# KiCad board SparkFun_IoT_RedBoard-RP2350_panelized.kicad_pcb (continued)
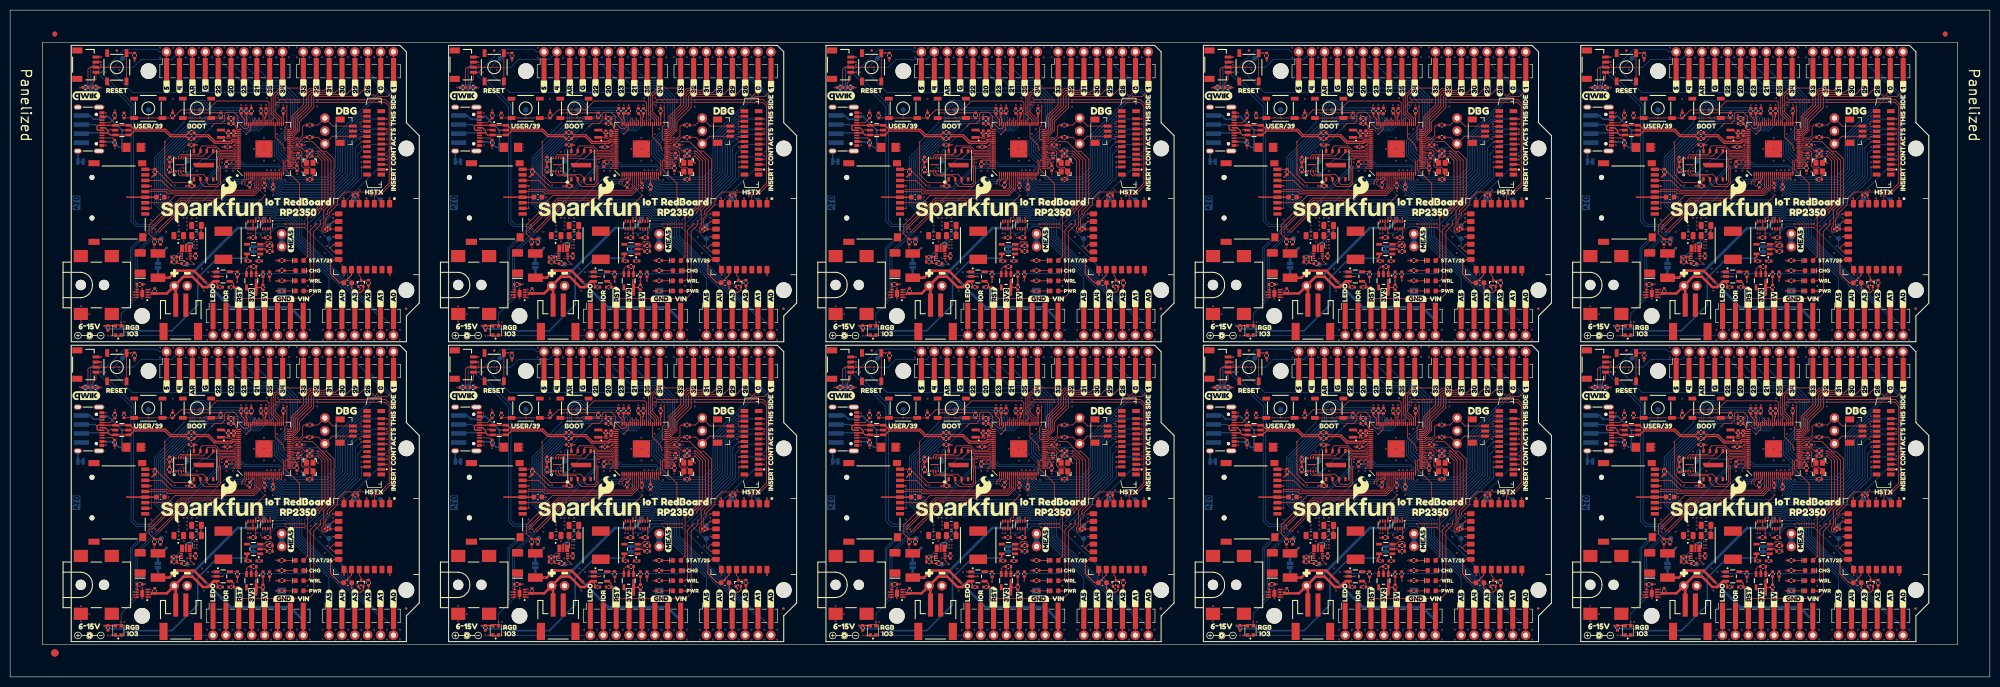
[diagram p0: board, top side]
## Placement (name value [footprint] x y rotation side) (continued)
U3#10  W25Q128JVPIM  [WDFN-8_6x5mm-SkinnyCenterPad]  261.2 100.88 90 top
U4  APS6404L-3SQR-ZR  [USON-8_3x2mm-SkinnyCenterPad]  107.78 41.86 90 top
U4#2  APS6404L-3SQR-ZR  [USON-8_3x2mm-SkinnyCenterPad]  33.42 100.98 90 top
U4#3  APS6404L-3SQR-ZR  [USON-8_3x2mm-SkinnyCenterPad]  330.86 100.98 90 top
U4#4  APS6404L-3SQR-ZR  [USON-8_3x2mm-SkinnyCenterPad]  256.5 100.98 90 top
U4#5  APS6404L-3SQR-ZR  [USON-8_3x2mm-SkinnyCenterPad]  107.78 100.98 90 top
U4#6  APS6404L-3SQR-ZR  [USON-8_3x2mm-SkinnyCenterPad]  182.14 100.98 90 top
U4#7  APS6404L-3SQR-ZR  [USON-8_3x2mm-SkinnyCenterPad]  182.14 41.86 90 top
U4#8  APS6404L-3SQR-ZR  [USON-8_3x2mm-SkinnyCenterPad]  256.5 41.86 90 top
U4#9  APS6404L-3SQR-ZR  [USON-8_3x2mm-SkinnyCenterPad]  330.86 41.86 90 top
U4#10  APS6404L-3SQR-ZR  [USON-8_3x2mm-SkinnyCenterPad]  33.42 41.86 90 top
U5  AP63357DV-7  [PowerVFDFN-13]  34.62 24.66 0 top
U5#2  AP63357DV-7  [PowerVFDFN-13]  108.98 24.66 0 top
U5#3  AP63357DV-7  [PowerVFDFN-13]  34.62 83.78 0 top
U5#4  AP63357DV-7  [PowerVFDFN-13]  183.34 24.66 0 top
U5#5  AP63357DV-7  [PowerVFDFN-13]  332.06 24.66 0 top
U5#6  AP63357DV-7  [PowerVFDFN-13]  332.06 83.78 0 top
U5#7  AP63357DV-7  [PowerVFDFN-13]  183.34 83.78 0 top
U5#8  AP63357DV-7  [PowerVFDFN-13]  108.98 83.78 0 top
U5#9  AP63357DV-7  [PowerVFDFN-13]  257.7 24.66 0 top
U5#10  AP63357DV-7  [PowerVFDFN-13]  257.7 83.78 0 top
U6  LM66200  [SOT-583-8]  47.62 29.96 270 top
U6#2  LM66200  [SOT-583-8]  47.62 89.08 270 top
U6#3  LM66200  [SOT-583-8]  121.98 89.08 270 top
U6#4  LM66200  [SOT-583-8]  121.98 29.96 270 top
U6#5  LM66200  [SOT-583-8]  345.06 89.08 270 top
U6#6  LM66200  [SOT-583-8]  196.34 89.08 270 top
U6#7  LM66200  [SOT-583-8]  270.7 89.08 270 top
U6#8  LM66200  [SOT-583-8]  270.7 29.96 270 top
U6#9  LM66200  [SOT-583-8]  196.34 29.96 270 top
U6#10  LM66200  [SOT-583-8]  345.06 29.96 270 top
U7  LM66200  [SOT-583-8]  50.52 29.96 270 top
U7#2  LM66200  [SOT-583-8]  199.24 89.08 270 top
U7#3  LM66200  [SOT-583-8]  273.6 29.96 270 top
U7#4  LM66200  [SOT-583-8]  347.96 89.08 270 top
U7#5  LM66200  [SOT-583-8]  124.88 89.08 270 top
U7#6  LM66200  [SOT-583-8]  50.52 89.08 270 top
U7#7  LM66200  [SOT-583-8]  124.88 29.96 270 top
U7#8  LM66200  [SOT-583-8]  199.24 29.96 270 top
U7#9  LM66200  [SOT-583-8]  273.6 89.08 270 top
U7#10  LM66200  [SOT-583-8]  347.96 29.96 270 top
U8  MAX17048  [DFN-8]  26.02 16.46 180 top
U8#2  MAX17048  [DFN-8]  100.38 75.58 180 top
U8#3  MAX17048  [DFN-8]  174.74 16.46 180 top
U8#4  MAX17048  [DFN-8]  100.38 16.46 180 top
U8#5  MAX17048  [DFN-8]  249.1 16.46 180 top
U8#6  MAX17048  [DFN-8]  26.02 75.58 180 top
U8#7  MAX17048  [DFN-8]  174.74 75.58 180 top
U8#8  MAX17048  [DFN-8]  249.1 75.58 180 top
U8#9  MAX17048  [DFN-8]  323.46 75.58 180 top
U8#10  MAX17048  [DFN-8]  323.46 16.46 180 top
U9  MCP73831  [SOT23-5]  41.97 19.81 0 top
U9#2  MCP73831  [SOT23-5]  339.41 19.81 0 top
U9#3  MCP73831  [SOT23-5]  41.97 78.93 0 top
U9#4  MCP73831  [SOT23-5]  190.69 78.93 0 top
U9#5  MCP73831  [SOT23-5]  116.33 19.81 0 top
U9#6  MCP73831  [SOT23-5]  116.33 78.93 0 top
U9#7  MCP73831  [SOT23-5]  190.69 19.81 0 top
U9#8  MCP73831  [SOT23-5]  265.05 78.93 0 top
U9#9  MCP73831  [SOT23-5]  265.05 19.81 0 top
U9#10  MCP73831  [SOT23-5]  339.41 78.93 0 top
U10  RT9080-3.3  [SOT23-5]  47.97 25.21 180 top
U10#2  RT9080-3.3  [SOT23-5]  196.69 84.33 180 top
U10#3  RT9080-3.3  [SOT23-5]  47.97 84.33 180 top
U10#4  RT9080-3.3  [SOT23-5]  345.41 25.21 180 top
U10#5  RT9080-3.3  [SOT23-5]  271.05 25.21 180 top
U10#6  RT9080-3.3  [SOT23-5]  196.69 25.21 180 top
U10#7  RT9080-3.3  [SOT23-5]  122.33 25.21 180 top
U10#8  RT9080-3.3  [SOT23-5]  122.33 84.33 180 top
U10#9  RT9080-3.3  [SOT23-5]  271.05 84.33 180 top
U10#10  RT9080-3.3  [SOT23-5]  345.41 84.33 180 top
U11  RT9080-3.3  [SOT23-5]  47.52 18.96 270 top
U11#2  RT9080-3.3  [SOT23-5]  196.24 78.08 270 top
U11#3  RT9080-3.3  [SOT23-5]  270.6 18.96 270 top
U11#4  RT9080-3.3  [SOT23-5]  344.96 78.08 270 top
U11#5  RT9080-3.3  [SOT23-5]  121.88 78.08 270 top
U11#6  RT9080-3.3  [SOT23-5]  47.52 78.08 270 top
U11#7  RT9080-3.3  [SOT23-5]  121.88 18.96 270 top
U11#8  RT9080-3.3  [SOT23-5]  196.24 18.96 270 top
U11#9  RT9080-3.3  [SOT23-5]  270.6 78.08 270 top
U11#10  RT9080-3.3  [SOT23-5]  344.96 18.96 270 top
Y1  12MHz  [Crystal_SMD_2.5x2.0mm]  59.02 41.36 90 top
Y1#2  12MHz  [Crystal_SMD_2.5x2.0mm]  282.1 100.48 90 top
Y1#3  12MHz  [Crystal_SMD_2.5x2.0mm]  133.38 41.36 90 top
Y1#4  12MHz  [Crystal_SMD_2.5x2.0mm]  133.38 100.48 90 top
Y1#5  12MHz  [Crystal_SMD_2.5x2.0mm]  207.74 41.36 90 top
Y1#6  12MHz  [Crystal_SMD_2.5x2.0mm]  207.74 100.48 90 top
Y1#7  12MHz  [Crystal_SMD_2.5x2.0mm]  282.1 41.36 90 top
Y1#8  12MHz  [Crystal_SMD_2.5x2.0mm]  59.02 100.48 90 top
Y1#9  12MHz  [Crystal_SMD_2.5x2.0mm]  356.46 100.48 90 top
Y1#10  12MHz  [Crystal_SMD_2.5x2.0mm]  356.46 41.36 90 top

## Library data of the parts
C1 C3 C5 C6 C10 C33 = -: Datasheet: https://cdn.sparkfun.com/assets/8/a/4/a/5/Kemet_Capacitor_Datasheet.pdf; Description: Unpolarized capacitor; PROD_ID: CAP-14240; Voltage: 6.3V; Tolerance: 20%; ki_fp_filters: C_*
C1#2-C1#10 C3#2-C3#10 C5#2-C5#10 C6#2-C6#10 C10#2-C10#10 C33#2-C33#10 = -: Datasheet: https://cdn.sparkfun.com/assets/8/a/4/a/5/Kemet_Capacitor_Datasheet.pdf; Description: Unpolarized capacitor; PROD_ID: CAP-14240; Voltage: 6.3V; Tolerance: 20%
C2 C4 C8 C11-C13 C14#10 C15#10 C16-C19 C20#10 C22 C26#10 C27#10 C34 C36#10 = -: Datasheet: https://cdn.sparkfun.com/assets/8/a/4/a/5/Kemet_Capacitor_Datasheet.pdf; Description: Unpolarized capacitor; PROD_ID: CAP-12416; Voltage: 16V; Tolerance: 10%; ki_fp_filters: C_*
C2#2-C2#10 C4#2-C4#10 C8#2-C8#10 C11#2-C11#10 C12#2-C12#10 C13#2-C13#10 C14 C14#2-C14#9 C15 C15#2-C15#9 C16#2-C16#10 C17#2-C17#10 C18#2-C18#10 C19#2-C19#10 C20 C20#2-C20#9 C22#2-C22#10 C26 C26#2-C26#9 C27 C27#2-C27#9 C34#2-C34#10 C36 C36#2-C36#9 = -: Datasheet: https://cdn.sparkfun.com/assets/8/a/4/a/5/Kemet_Capacitor_Datasheet.pdf; Description: Unpolarized capacitor; PROD_ID: CAP-12416; Voltage: 16V; Tolerance: 10%
C7 C7#2-C7#9 C9 C9#2-C9#9 = -: Datasheet: https://cdn.sparkfun.com/assets/8/a/4/a/5/Kemet_Capacitor_Datasheet.pdf; Description: Unpolarized capacitor; PROD_ID: CAP-13063; Voltage: 50V; Tolerance: 5%
C7#10 C9#10 = -: Datasheet: https://cdn.sparkfun.com/assets/8/a/4/a/5/Kemet_Capacitor_Datasheet.pdf; Description: Unpolarized capacitor; PROD_ID: CAP-13063; Voltage: 50V; Tolerance: 5%; ki_fp_filters: C_*
C21 C24 C25 = -: Datasheet: https://mm.digikey.com/Volume0/opasdata/d220001/medias/docus/43/CL21A226MOCLRNC_Spec.pdf; Description: Unpolarized capacitor; PROD_ID: CAP-23850; Voltage: 25V; Tolerance: 20%; ki_fp_filters: C_*
C21#2-C21#10 C24#2-C24#10 C25#2-C25#10 = -: Datasheet: https://mm.digikey.com/Volume0/opasdata/d220001/medias/docus/43/CL21A226MOCLRNC_Spec.pdf; Description: Unpolarized capacitor; PROD_ID: CAP-23850; Voltage: 25V; Tolerance: 20%
C23 = -: Datasheet: https://cdn.sparkfun.com/assets/8/a/4/a/5/Kemet_Capacitor_Datasheet.pdf; Description: Unpolarized capacitor; PROD_ID: CAP-15063; Voltage: 500V; Tolerance: 10%; ki_fp_filters: C_*
C23#2-C23#10 = -: Datasheet: https://cdn.sparkfun.com/assets/8/a/4/a/5/Kemet_Capacitor_Datasheet.pdf; Description: Unpolarized capacitor; PROD_ID: CAP-15063; Voltage: 500V; Tolerance: 10%
C28 C29 C30#2 C31 C32#10 = -: Datasheet: https://cdn.sparkfun.com/assets/8/a/4/a/5/Kemet_Capacitor_Datasheet.pdf; Description: Unpolarized capacitor; PROD_ID: CAP-14232; Voltage: 10V; Tolerance: 10%; ki_fp_filters: C_*
C28#2-C28#10 C29#2-C29#10 C30 C30#3-C30#10 C31#2-C31#10 C32 C32#2-C32#9 = -: Datasheet: https://cdn.sparkfun.com/assets/8/a/4/a/5/Kemet_Capacitor_Datasheet.pdf; Description: Unpolarized capacitor; PROD_ID: CAP-14232; Voltage: 10V; Tolerance: 10%
C35 = -: Datasheet: https://cdn.sparkfun.com/assets/8/a/4/a/5/Kemet_Capacitor_Datasheet.pdf; Description: Unpolarized capacitor; PROD_ID: CAP-20155; Voltage: 10V; Tolerance: 20%; ki_fp_filters: C_*
C35#2-C35#10 = -: Datasheet: https://cdn.sparkfun.com/assets/8/a/4/a/5/Kemet_Capacitor_Datasheet.pdf; Description: Unpolarized capacitor; PROD_ID: CAP-20155; Voltage: 10V; Tolerance: 20%
D1 = -: Datasheet: https://www.smc-diodes.com/propdf/SK34A%20N0103%20REV.C.pdf; Description: Schottky diode; PROD_ID: DIO-14989; IMax: 3A; VDrop: 0.55V; VMax: 40V; ki_fp_filters: TO-???* *_Diode_* *SingleDiode* D_*
D1#2-D1#10 = -: Datasheet: https://www.smc-diodes.com/propdf/SK34A%20N0103%20REV.C.pdf; Description: Schottky diode; PROD_ID: DIO-14989; IMax: 3A; VDrop: 0.55V; VMax: 40V
D2 = -: Datasheet: https://www.diodes.com/assets/Datasheets/DT1042-04SO.pdf; Description: Very low capacitance ESD protection diode, 4 data-line, SOT-23-6; PROD_ID: IC-13538; ki_fp_filters: SOT?23*
D2#2-D2#10 = -: Datasheet: https://www.diodes.com/assets/Datasheets/DT1042-04SO.pdf; Description: Very low capacitance ESD protection diode, 4 data-line, SOT-23-6; PROD_ID: IC-13538
D3 = -: Datasheet: https://www.kingbrightusa.com/images/catalog/SPEC/APT1608SYCK.pdf; Description: Light emitting diode; PROD_ID: DIO-09003; ki_fp_filters: LED* LED_SMD:* LED_THT:*
D3#2-D3#10 = -: Datasheet: https://www.kingbrightusa.com/images/catalog/SPEC/APT1608SYCK.pdf; Description: Light emitting diode; PROD_ID: DIO-09003
D4 D4#2 D4#4-D4#10 = -: Datasheet: https://cdn.sparkfun.com/assets/e/1/0/f/b/WS2812C-2020_V1.2_EN_19112716191654.pdf; Description: RGB LED with integrated controller; PROD_ID: DIO-15591
D4#3 = -: Datasheet: https://cdn.sparkfun.com/assets/e/1/0/f/b/WS2812C-2020_V1.2_EN_19112716191654.pdf; Description: RGB LED with integrated controller; PROD_ID: DIO-15591; ki_fp_filters: LED*WS2812*PLCC*5.0x5.0mm*P3.2mm*
D5 D5#2-D5#9 D6#2-D6#10 = -: Datasheet: https://media.digikey.com/pdf/Data%20Sheets/Rohm%20PDFs/SMLE12_Series_Rev2.0_2007.pdf; Description: Light emitting diode; PROD_ID: DIO-08575
D5#10 D6 = -: Datasheet: https://media.digikey.com/pdf/Data%20Sheets/Rohm%20PDFs/SMLE12_Series_Rev2.0_2007.pdf; Description: Light emitting diode; PROD_ID: DIO-08575; ki_fp_filters: LED* LED_SMD:* LED_THT:*
D7 = -: Datasheet: https://docs.broadcom.com/docs/AV02-0551EN; Description: Light emitting diode; PROD_ID: DIO-17976; ki_fp_filters: LED* LED_SMD:* LED_THT:*
D7#2-D7#10 = -: Datasheet: https://docs.broadcom.com/docs/AV02-0551EN; Description: Light emitting diode; PROD_ID: DIO-17976
F1 F1#2-F1#9 = -: Datasheet: https://www.bourns.com/docs/product-datasheets/mf-msmf.pdf; Description: Resettable fuse 2A; PROD_ID: RES-14390
F1#10 = -: Datasheet: https://www.bourns.com/docs/product-datasheets/mf-msmf.pdf; Description: Resettable fuse 2A; PROD_ID: RES-14390; ki_fp_filters: *polyfuse* *PTC*
F2 = -: Datasheet: https://www.littelfuse.com/media?resourcetype=datasheets&itemid=2b6a1515-d4ee-4c83-8bd4-152b4901b8f5&filename=littelfuse_ptc_1206l_datasheet.pdf; Description: Resettable fuse 750mA; PROD_ID: RES-11150; ki_fp_filters: *polyfuse* *PTC*
F2#2-F2#10 = -: Datasheet: https://www.littelfuse.com/media?resourcetype=datasheets&itemid=2b6a1515-d4ee-4c83-8bd4-152b4901b8f5&filename=littelfuse_ptc_1206l_datasheet.pdf; Description: Resettable fuse 750mA; PROD_ID: RES-11150
FID1 FID1#2 FID1#4-FID1#10 FID2#2-FID2#10 FID3#2-FID3#10 FID4#2-FID4#10 = -: Description: Fiducial Marker
FID1#3 FID2-FID4 = -: Description: Fiducial Marker; ki_fp_filters: Fiducial*
H1 H1#2-H1#10 = -: Description: RedBoard PCB Pinout
J1 J1#2-J1#9 J9#2-J9#10 = -: Description: Generic connector, single row, 01x08, script generated (kicad-library-utils/schlib/autogen/connector/); PROD_ID: CONN-10204
J1#10 J9 = -: Description: Generic connector, single row, 01x08, script generated (kicad-library-utils/schlib/autogen/connector/); PROD_ID: CONN-10204; ki_fp_filters: Connector*:*_1x??_*
J2 = -: Description: Generic connector, single row, 01x06, script generated (kicad-library-utils/schlib/autogen/connector/); PROD_ID: CONN-10203; ki_fp_filters: Connector*:*_1x??_*
J2#2-J2#10 = -: Description: Generic connector, single row, 01x06, script generated (kicad-library-utils/schlib/autogen/connector/); PROD_ID: CONN-10203
J3 = -: Datasheet: https://tensility.s3.us-west-2.amazonaws.com/uploads/pdffiles/54-00164.pdf; Description: DC Barrel Jack with an internal switch; PROD_ID: CONN-08106; ki_fp_filters: BarrelJack*
J3#2-J3#10 = -: Datasheet: https://tensility.s3.us-west-2.amazonaws.com/uploads/pdffiles/54-00164.pdf; Description: DC Barrel Jack with an internal switch; PROD_ID: CONN-08106
J4 = -: Datasheet: https://www.usb.org/sites/default/files/documents/usb_type-c.zip; Description: USB 2.0-only Type-C Receptacle connector; PROD_ID: CONN-14122; ki_fp_filters: USB*C*Receptacle*
J4#2-J4#10 = -: Datasheet: https://www.usb.org/sites/default/files/documents/usb_type-c.zip; Description: USB 2.0-only Type-C Receptacle connector; PROD_ID: CONN-14122
J5 = -: Description: Generic connector, single row, 01x04, script generated (kicad-library-utils/schlib/autogen/connector/); ki_fp_filters: Connector*:*_1x??_*
J5#2-J5#10 = -: Description: Generic connector, single row, 01x04, script generated (kicad-library-utils/schlib/autogen/connector/)
J6 = -: Description: Generic connector, single row, 01x02, script generated (kicad-library-utils/schlib/autogen/connector/); ki_fp_filters: Connector*:*_1x??_*
J6#2-J6#10 = -: Description: Generic connector, single row, 01x02, script generated (kicad-library-utils/schlib/autogen/connector/)
J7 = -: Description: 2 Pin 2mm JST Battery Connector; PROD_ID: CONN-11443; ki_fp_filters: Connector*:*_1x??_*
J7#2-J7#10 = -: Description: 2 Pin 2mm JST Battery Connector; PROD_ID: CONN-11443
J8 = -: Description: Generic connector, single row, 01x10, script generated (kicad-library-utils/schlib/autogen/connector/); PROD_ID: CONN-11219; ki_fp_filters: Connector*:*_1x??_*
J8#2-J8#10 = -: Description: Generic connector, single row, 01x10, script generated (kicad-library-utils/schlib/autogen/connector/); PROD_ID: CONN-11219
J10 J10#2-J10#9 = -: Description: Generic connector, single row, 01x03, script generated (kicad-library-utils/schlib/autogen/connector/)
J10#10 = -: Description: Generic connector, single row, 01x03, script generated (kicad-library-utils/schlib/autogen/connector/); ki_fp_filters: Connector*:*_1x??_*
J11 = -: Datasheet: https://www.cvilux.com/uploads/drawings/100/332/CF2081S.pdf; Description: Generic connector, single row, 01x22, script generated (kicad-library-utils/schlib/autogen/connector/); PROD_ID: CONN-24643; ki_fp_filters: Connector*:*_1x??_*
J11#2-J11#10 = -: Datasheet: https://www.cvilux.com/uploads/drawings/100/332/CF2081S.pdf; Description: Generic connector, single row, 01x22, script generated (kicad-library-utils/schlib/autogen/connector/); PROD_ID: CONN-24643
J12 J12#2-J12#9 = -: Datasheet: http://www.4uconnector.com/online/object/4udrawing/07265.pdf; Description: 3 Pin 1mm JST Connector; PROD_ID: CONN-24642
J12#10 = -: Datasheet: http://www.4uconnector.com/online/object/4udrawing/07265.pdf; Description: 3 Pin 1mm JST Connector; PROD_ID: CONN-24642; ki_fp_filters: Connector*:*_1x??_*
J13 = -: Datasheet: https://www.jst-mfg.com/product/pdf/eng/eSH.pdf; Description: 4 pin JST 1mm polarized connector for I2C; PROD_ID: CONN-13694; ki_fp_filters: Connector*:*_1x??_*
J13#2-J13#10 = -: Datasheet: https://www.jst-mfg.com/product/pdf/eng/eSH.pdf; Description: 4 pin JST 1mm polarized connector for I2C; PROD_ID: CONN-13694
J14 = -: Datasheet: https://cdn.sparkfun.com/assets/a/d/6/0/8/microSD_Datasheet_msd-1-a.pdf; Description: Micro SD socket External Pin; PROD_ID: CONN-16110; ki_fp_filters: microSD*
J14#2-J14#10 = -: Datasheet: https://cdn.sparkfun.com/assets/a/d/6/0/8/microSD_Datasheet_msd-1-a.pdf; Description: Micro SD socket External Pin; PROD_ID: CONN-16110
JP1 JP4-JP6 = -: Description: Solder Jumper, 2-pole, closed/bridged; ki_fp_filters: SolderJumper*Bridged*
JP1#2-JP1#10 JP4#2-JP4#10 JP5#2-JP5#10 JP6#2-JP6#10 = -: Description: Solder Jumper, 2-pole, closed/bridged
JP2 = -: Description: Solder Jumper, 2-pole, open; ki_fp_filters: SolderJumper*Open*
JP2#2-JP2#10 = -: Description: Solder Jumper, 2-pole, open
JP3 = -: Description: Solder Jumper, 3-pole, pins 1+2+3 closed/bridged; ki_fp_filters: SolderJumper*Bridged123*
JP3#2-JP3#10 = -: Description: Solder Jumper, 3-pole, pins 1+2+3 closed/bridged
L1 = -: Datasheet: https://abracon.com/datasheets/AOTA-B201610S3R3-101-T.pdf; Description: Inductor; PROD_ID: NDUC-23692; Current: 1.4A; ki_fp_filters: Choke_* *Coil* Inductor_* L_*
L1#2-L1#10 = -: Datasheet: https://abracon.com/datasheets/AOTA-B201610S3R3-101-T.pdf; Description: Inductor; PROD_ID: NDUC-23692; Current: 1.4A
L2 = -: Datasheet: http://www.murata.com/en-global/api/pdfdownloadapi?cate=luNoiseSupprFilteChipFerriBead&partno=BLM18PG471SN1%23; Description: Inductor; PROD_ID: NDUC-12579; Frequency: 100MHz; ki_fp_filters: Choke_* *Coil* Inductor_* L_*
L2#2-L2#10 = -: Datasheet: http://www.murata.com/en-global/api/pdfdownloadapi?cate=luNoiseSupprFilteChipFerriBead&partno=BLM18PG471SN1%23; Description: Inductor; PROD_ID: NDUC-12579; Frequency: 100MHz
L3 = -: Datasheet: https://productfinder.pulseelectronics.com/api/open/part-attachments/datasheet/BMRA000606306R8MA1; Description: Inductor; PROD_ID: NDUC-17223; Current: 4.5A; ki_fp_filters: Choke_* *Coil* Inductor_* L_*
L3#2-L3#10 = -: Datasheet: https://productfinder.pulseelectronics.com/api/open/part-attachments/datasheet/BMRA000606306R8MA1; Description: Inductor; PROD_ID: NDUC-17223; Current: 4.5A
Q1 Q1#2-Q1#10 = -: Datasheet: https://fscdn.rohm.com/en/products/databook/datasheet/discrete/transistor/mosfet/re1c001zptl-e.pdf; Description: P-MOSFET transistor, drain/gate/source; PROD_ID: TRANS-15421; IMax: 0.1A; VMax: 20V
R1 R2 = -: Datasheet: https://www.vishay.com/docs/20035/dcrcwe3.pdf; Description: Resistor; PROD_ID: RES-14340; ki_fp_filters: R_*
R1#2-R1#10 R2#2-R2#10 = -: Datasheet: https://www.vishay.com/docs/20035/dcrcwe3.pdf; Description: Resistor; PROD_ID: RES-14340
R3 R4 = -: Datasheet: https://www.vishay.com/docs/20035/dcrcwe3.pdf; Description: Resistor; PROD_ID: RES-15238; ki_fp_filters: R_*
R3#2-R3#10 R4#2-R4#10 = -: Datasheet: https://www.vishay.com/docs/20035/dcrcwe3.pdf; Description: Resistor; PROD_ID: RES-15238
R5 R6 R27 R30 R31#10 = -: Datasheet: https://www.vishay.com/docs/20035/dcrcwe3.pdf; Description: Resistor; PROD_ID: RES-14341; ki_fp_filters: R_*
R5#2-R5#10 R6#2-R6#10 R27#2-R27#10 R30#2-R30#10 R31 R31#2-R31#9 = -: Datasheet: https://www.vishay.com/docs/20035/dcrcwe3.pdf; Description: Resistor; PROD_ID: RES-14341
R7 = -: Datasheet: https://www.vishay.com/docs/20035/dcrcwe3.pdf; Description: Resistor; PROD_ID: RES-15550; ki_fp_filters: R_*
R7#2-R7#10 = -: Datasheet: https://www.vishay.com/docs/20035/dcrcwe3.pdf; Description: Resistor; PROD_ID: RES-15550
R8 = -: Datasheet: https://www.vishay.com/docs/20035/dcrcwe3.pdf; Description: Resistor; PROD_ID: RES-14883; ki_fp_filters: R_*
R8#2-R8#10 = -: Datasheet: https://www.vishay.com/docs/20035/dcrcwe3.pdf; Description: Resistor; PROD_ID: RES-14883
R9 R10 = -: Datasheet: https://www.vishay.com/docs/20035/dcrcwe3.pdf; Description: Resistor; PROD_ID: RES-14342; ki_fp_filters: R_*
R9#2-R9#10 R10#2-R10#10 = -: Datasheet: https://www.vishay.com/docs/20035/dcrcwe3.pdf; Description: Resistor; PROD_ID: RES-14342
R11 R12 = -: Datasheet: https://www.vishay.com/docs/20035/dcrcwe3.pdf; Description: Resistor; PROD_ID: RES-14962; ki_fp_filters: R_*
R11#2-R11#10 R12#2-R12#10 = -: Datasheet: https://www.vishay.com/docs/20035/dcrcwe3.pdf; Description: Resistor; PROD_ID: RES-14962
R13 = -: Datasheet: https://www.vishay.com/docs/20035/dcrcwe3.pdf; Description: Resistor; PROD_ID: RES-13829; ki_fp_filters: R_*
R13#2-R13#10 = -: Datasheet: https://www.vishay.com/docs/20035/dcrcwe3.pdf; Description: Resistor; PROD_ID: RES-13829
R14 R14#2-R14#9 R15 R15#2-R15#9 R16#2-R16#10 R17 R17#2-R17#9 R18 R18#2-R18#9 R21#2-R21#10 R22#2-R22#10 R24#2-R24#10 R29 R29#2-R29#9 R33#2-R33#10 R34#2-R34#10 R35#2-R35#10 = -: Datasheet: https://www.vishay.com/docs/20035/dcrcwe3.pdf; Description: Resistor; PROD_ID: RES-14241
R14#10 R15#10 R16 R17#10 R18#10 R21 R22 R24 R29#10 R33-R35 = -: Datasheet: https://www.vishay.com/docs/20035/dcrcwe3.pdf; Description: Resistor; PROD_ID: RES-14241; ki_fp_filters: R_*
R19 = -: Datasheet: https://www.te.com/usa-en/product-5-2176337-3.datasheet.pdf; Description: Resistor; PROD_ID: RES-15094; ki_fp_filters: R_*
R19#2-R19#10 = -: Datasheet: https://www.te.com/usa-en/product-5-2176337-3.datasheet.pdf; Description: Resistor; PROD_ID: RES-15094
R20 R20#2-R20#9 R28#2-R28#10 = -: Datasheet: https://www.yageo.com/upload/media/product/products/datasheet/rchip/PYu-RC_Group_51_RoHS_L_12.pdf; Description: Resistor; PROD_ID: RES-15010
R20#10 R28 = -: Datasheet: https://www.yageo.com/upload/media/product/products/datasheet/rchip/PYu-RC_Group_51_RoHS_L_12.pdf; Description: Resistor; PROD_ID: RES-15010; ki_fp_filters: R_*
R23 R23#2-R23#9 R32#2-R32#10 = -: Datasheet: https://www.vishay.com/docs/20035/dcrcwe3.pdf; Description: Resistor; PROD_ID: RES-15343
R23#10 R32 = -: Datasheet: https://www.vishay.com/docs/20035/dcrcwe3.pdf; Description: Resistor; PROD_ID: RES-15343; ki_fp_filters: R_*
R25 = -: Datasheet: https://www.vishay.com/docs/20035/dcrcwe3.pdf; Description: Resistor; PROD_ID: RES-15185; ki_fp_filters: R_*
R25#2-R25#10 = -: Datasheet: https://www.vishay.com/docs/20035/dcrcwe3.pdf; Description: Resistor; PROD_ID: RES-15185
R26 = -: Datasheet: https://www.vishay.com/docs/20035/dcrcwe3.pdf; Description: Resistor; PROD_ID: RES-13495; ki_fp_filters: R_*
R26#2-R26#10 = -: Datasheet: https://www.vishay.com/docs/20035/dcrcwe3.pdf; Description: Resistor; PROD_ID: RES-13495
ST1-ST3 ST4#10 = -: Description: Drill holes for mechanically mounting via screws, standoffs, etc.; ki_fp_filters: Fiducial*
ST1#2-ST1#10 ST2#2-ST2#10 ST3#2-ST3#10 ST4 ST4#2-ST4#9 = -: Description: Drill holes for mechanically mounting via screws, standoffs, etc.
SW1 SW1#2-SW1#10 SW2 SW2#2-SW2#10 SW3 SW3#2-SW3#10 = -: Description: Single Pole Single Throw (SPST) switch; PROD_ID: SWCH-14139
TP1-TP11 = -: Description: Test Point; ki_fp_filters: Pin* Test*
TP1#2-TP1#10 TP2#2-TP2#10 TP3#2-TP3#10 TP4#2-TP4#10 TP5#2-TP5#10 TP6#2-TP6#10 TP7#2-TP7#10 TP8#2-TP8#10 TP9#2-TP9#10 TP10#2-TP10#10 TP11#2-TP11#10 = -: Description: Test Point
U1 = -: Datasheet: https://datasheets.raspberrypi.com/rp2350/rp2350-datasheet.pdf; Description: Raspberry Pi RP2350B 150MHz Dual ARM Cortex-M33 Microcontroller IC QFN-80; PROD_ID: IC-23690; ki_fp_filters: ESP32?WROOM?32*
U1#2-U1#10 = -: Datasheet: https://datasheets.raspberrypi.com/rp2350/rp2350-datasheet.pdf; Description: Raspberry Pi RP2350B 150MHz Dual ARM Cortex-M33 Microcontroller IC QFN-80; PROD_ID: IC-23690
U2 = -: Description: Radio module from Raspberry Pi using the CYW43 supporting WiFi and Bluetooth/BLE; PROD_ID: IC-21607; ki_fp_filters: ESP32?WROOM?32*
U2#2-U2#10 = -: Description: Radio module from Raspberry Pi using the CYW43 supporting WiFi and Bluetooth/BLE; PROD_ID: IC-21607
U3 = -: Datasheet: https://www.winbond.com/resource-files/w25q128jv_dtr%20revc%2003272018%20plus.pdf; Description: 128Mb (16MB) Serial Flash Memory, Standard/Dual/Quad SPI, 8-WDFN; PROD_ID: IC-15107; ki_fp_filters: SOIC*5.23x5.23mm*P1.27mm*
U3#2-U3#10 = -: Datasheet: https://www.winbond.com/resource-files/w25q128jv_dtr%20revc%2003272018%20plus.pdf; Description: 128Mb (16MB) Serial Flash Memory, Standard/Dual/Quad SPI, 8-WDFN; PROD_ID: IC-15107
U4 U4#2-U4#9 = -: Datasheet: https://www.mouser.com/datasheet/2/1127/APM_PSRAM_QSPI_APS6404L_3SQR_v2_3_PKG-1954826.pdf; Description: 64Mb (8MB) Serial PSRAM, Standard/Quad SPI, 8-USON; PROD_ID: IC-21870
U4#10 = -: Datasheet: https://www.mouser.com/datasheet/2/1127/APM_PSRAM_QSPI_APS6404L_3SQR_v2_3_PKG-1954826.pdf; Description: 64Mb (8MB) Serial PSRAM, Standard/Quad SPI, 8-USON; PROD_ID: IC-21870; ki_fp_filters: SOIC*5.23x5.23mm*P1.27mm*
U5 = -: Datasheet: https://www.diodes.com/assets/Datasheets/AP63356-AP63357.pdf; Description: Buck Regulator, Vin=3.8-32V, Iout=3.5A, Adjustable output voltage, V-DFN3020-13 package; PROD_ID: IC-17224; Imax: 3.5A; VIn: 32V; ki_fp_filters: SOT?23*
U5#2-U5#10 = -: Datasheet: https://www.diodes.com/assets/Datasheets/AP63356-AP63357.pdf; Description: Buck Regulator, Vin=3.8-32V, Iout=3.5A, Adjustable output voltage, V-DFN3020-13 package; PROD_ID: IC-17224; Imax: 3.5A; VIn: 32V
U6 U6#2-U6#10 U7 U7#2-U7#10 = -: Datasheet: https://www.ti.com/lit/ds/symlink/lm66200.pdf; Description: Dual ideal diode device with automatic switchover; PROD_ID: IC-20783
U8 = -: Datasheet: https://www.analog.com/media/en/technical-documentation/data-sheets/MAX17048-MAX17049.pdf; Description: Fuela Gauge IC for Batteries; PROD_ID: IC-12551; ki_fp_filters: DFN*1EP*3x3mm*P0.5mm*
U8#2-U8#10 = -: Datasheet: https://www.analog.com/media/en/technical-documentation/data-sheets/MAX17048-MAX17049.pdf; Description: Fuela Gauge IC for Batteries; PROD_ID: IC-12551